# Altium PCB Switchboard V1.PcbDoc (part 1 of 2)
Units mil, origin at the board's own origin, x right, y up, seen from the top; angles counter-clockwise.
Board outline 3858.27 x 4800.09 mil, 2 copper layers (Top Layer, Bottom Layer), stack 62.8 mil thick; 100 components, 91 nets, 549 pads, 175 vias.
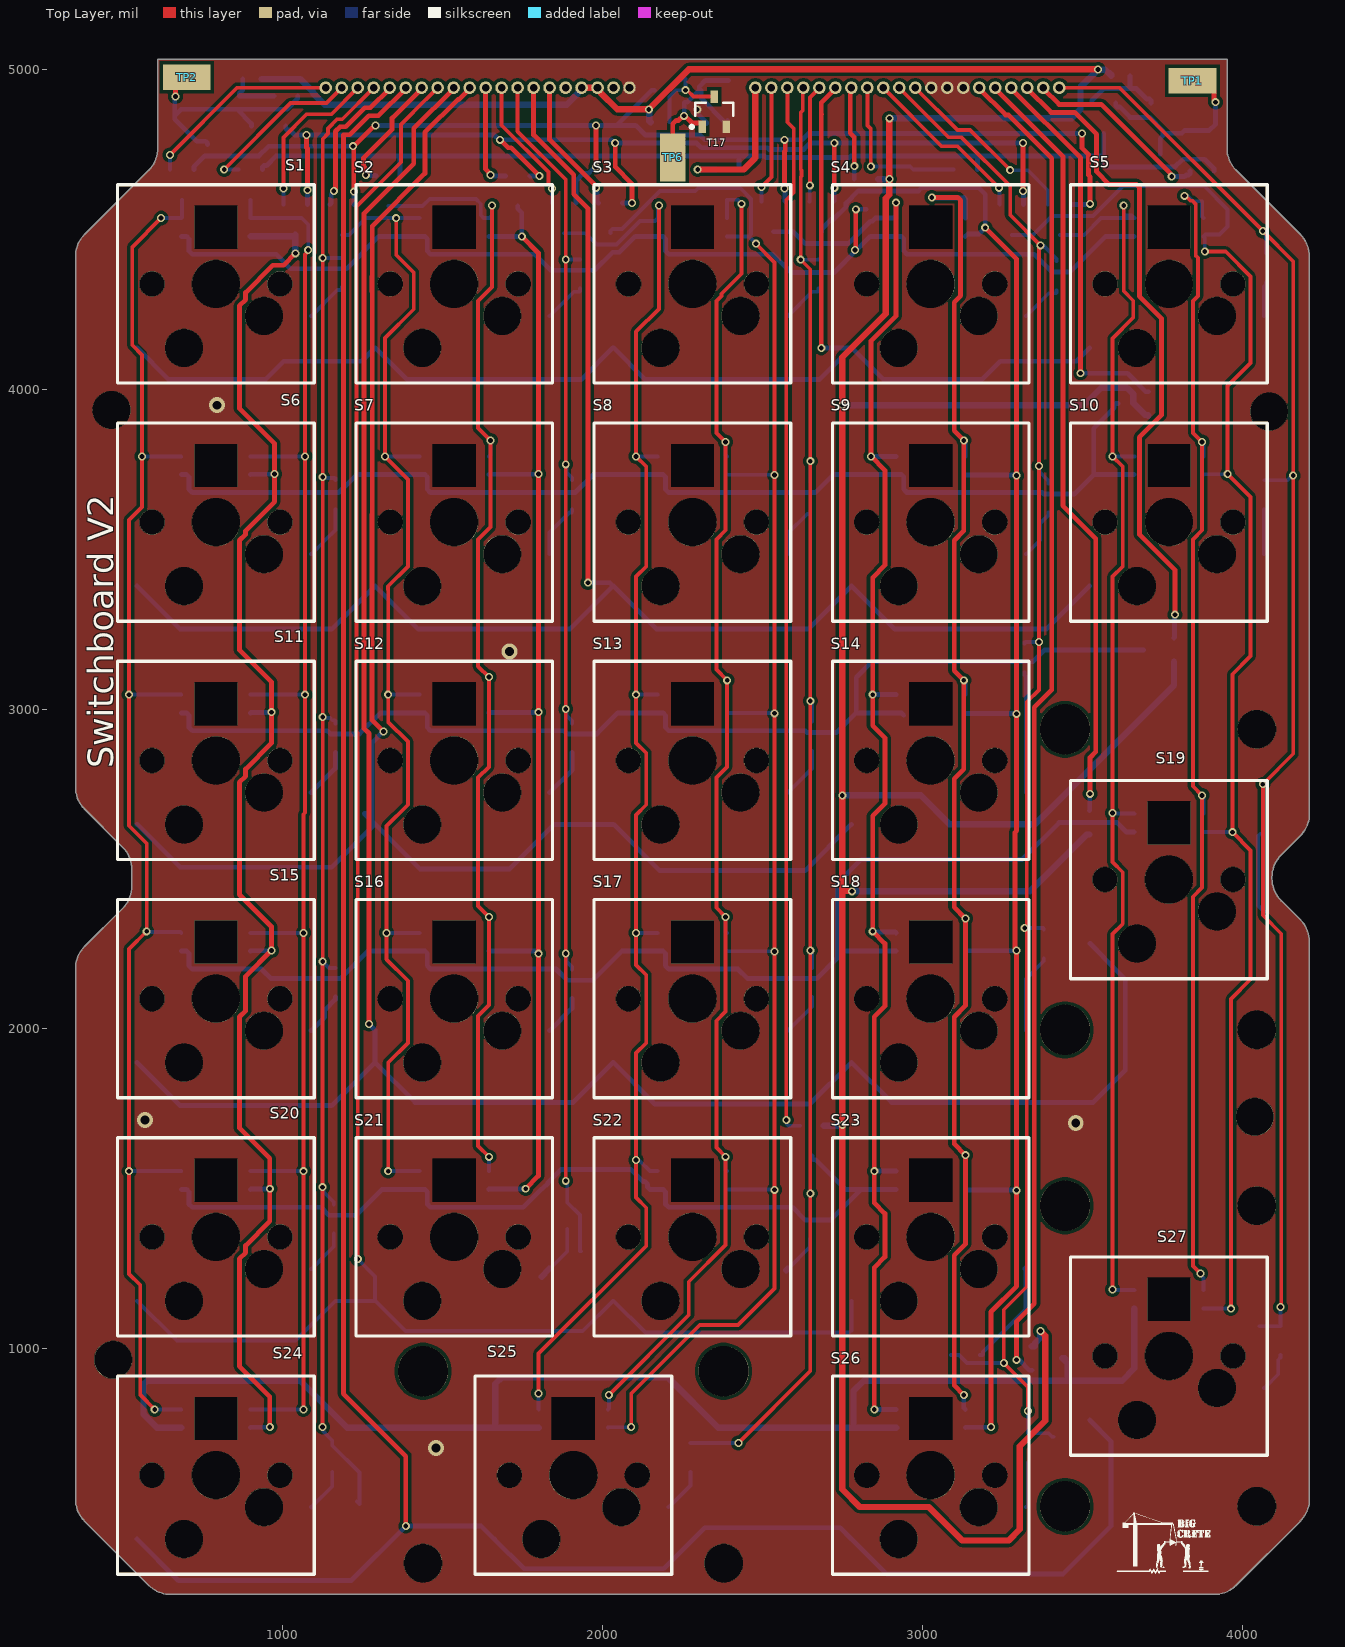
[diagram p0: Top Layer view]
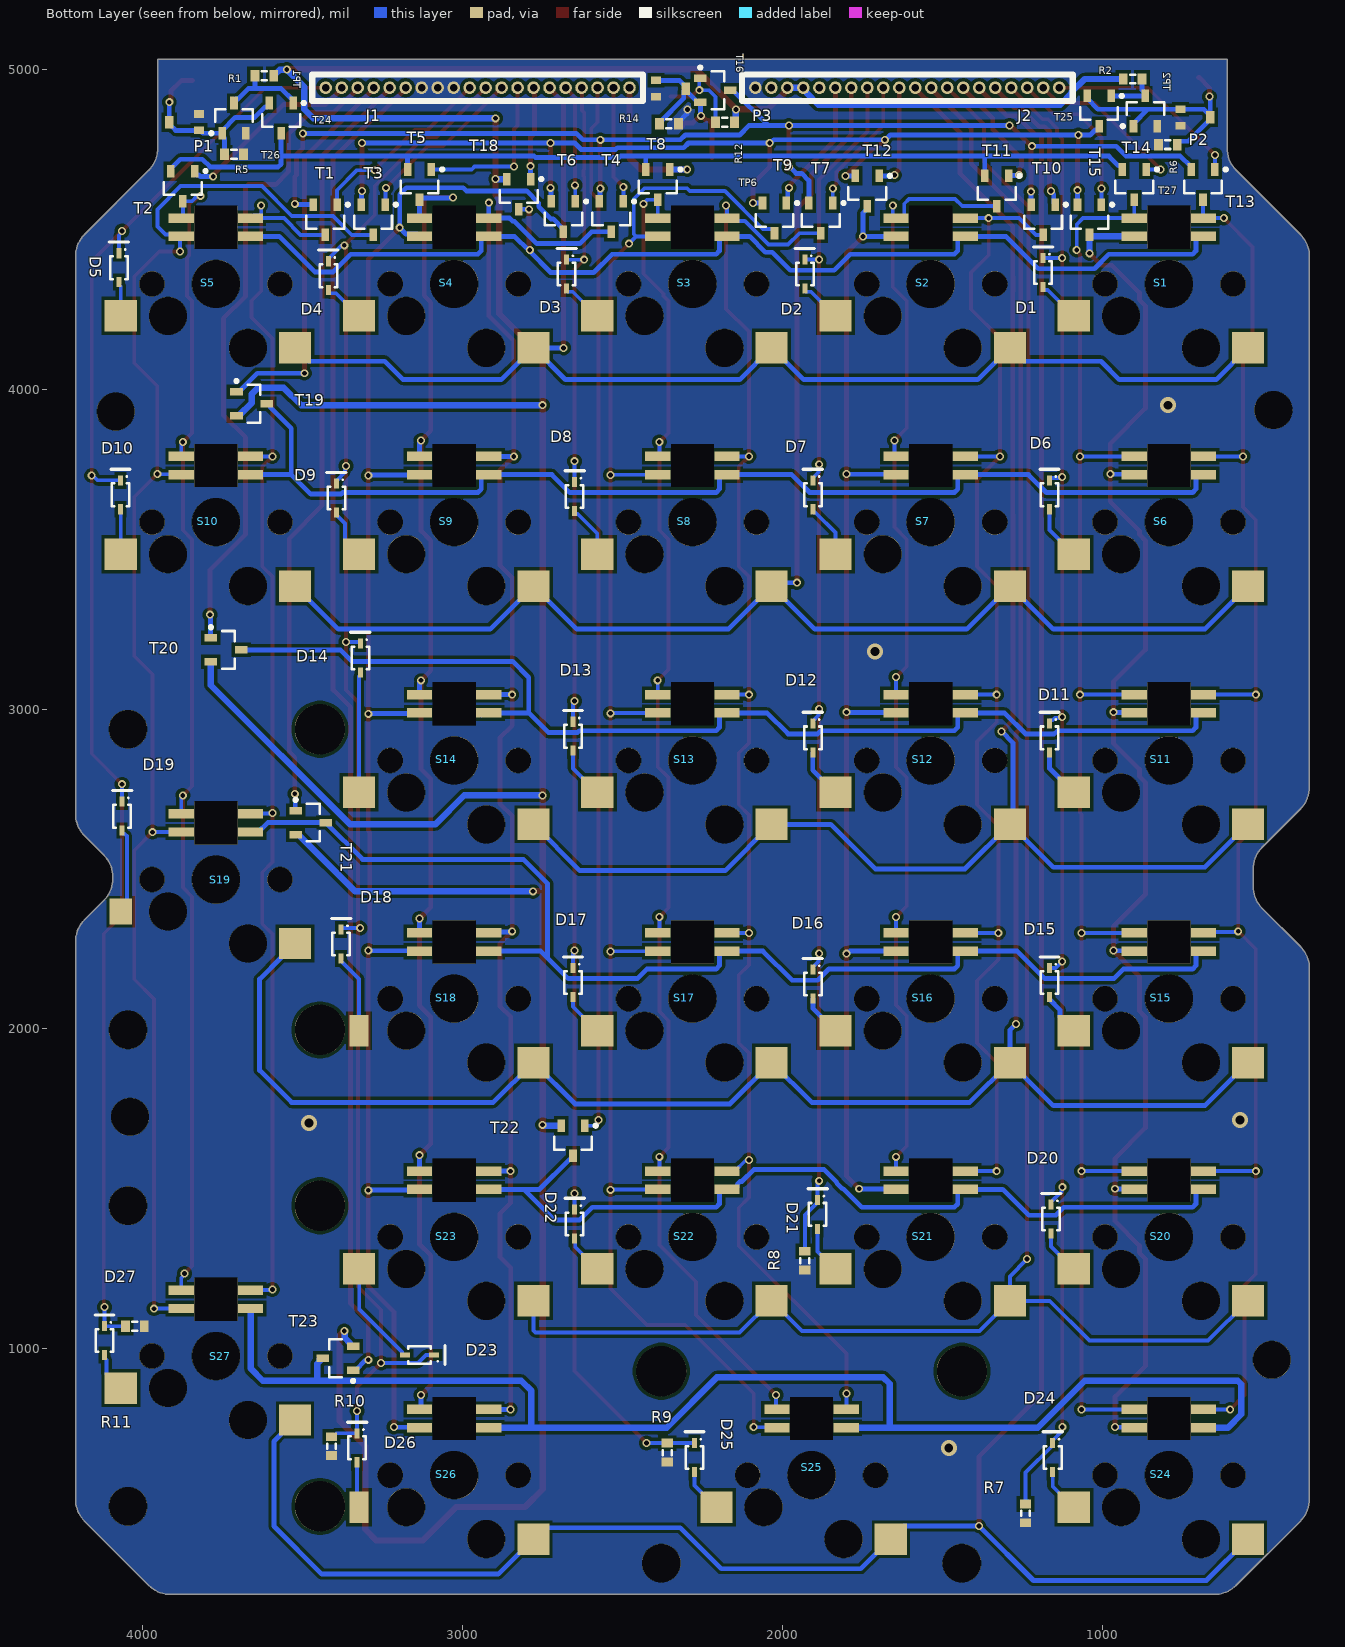
[diagram p1: Bottom Layer view, seen from below]
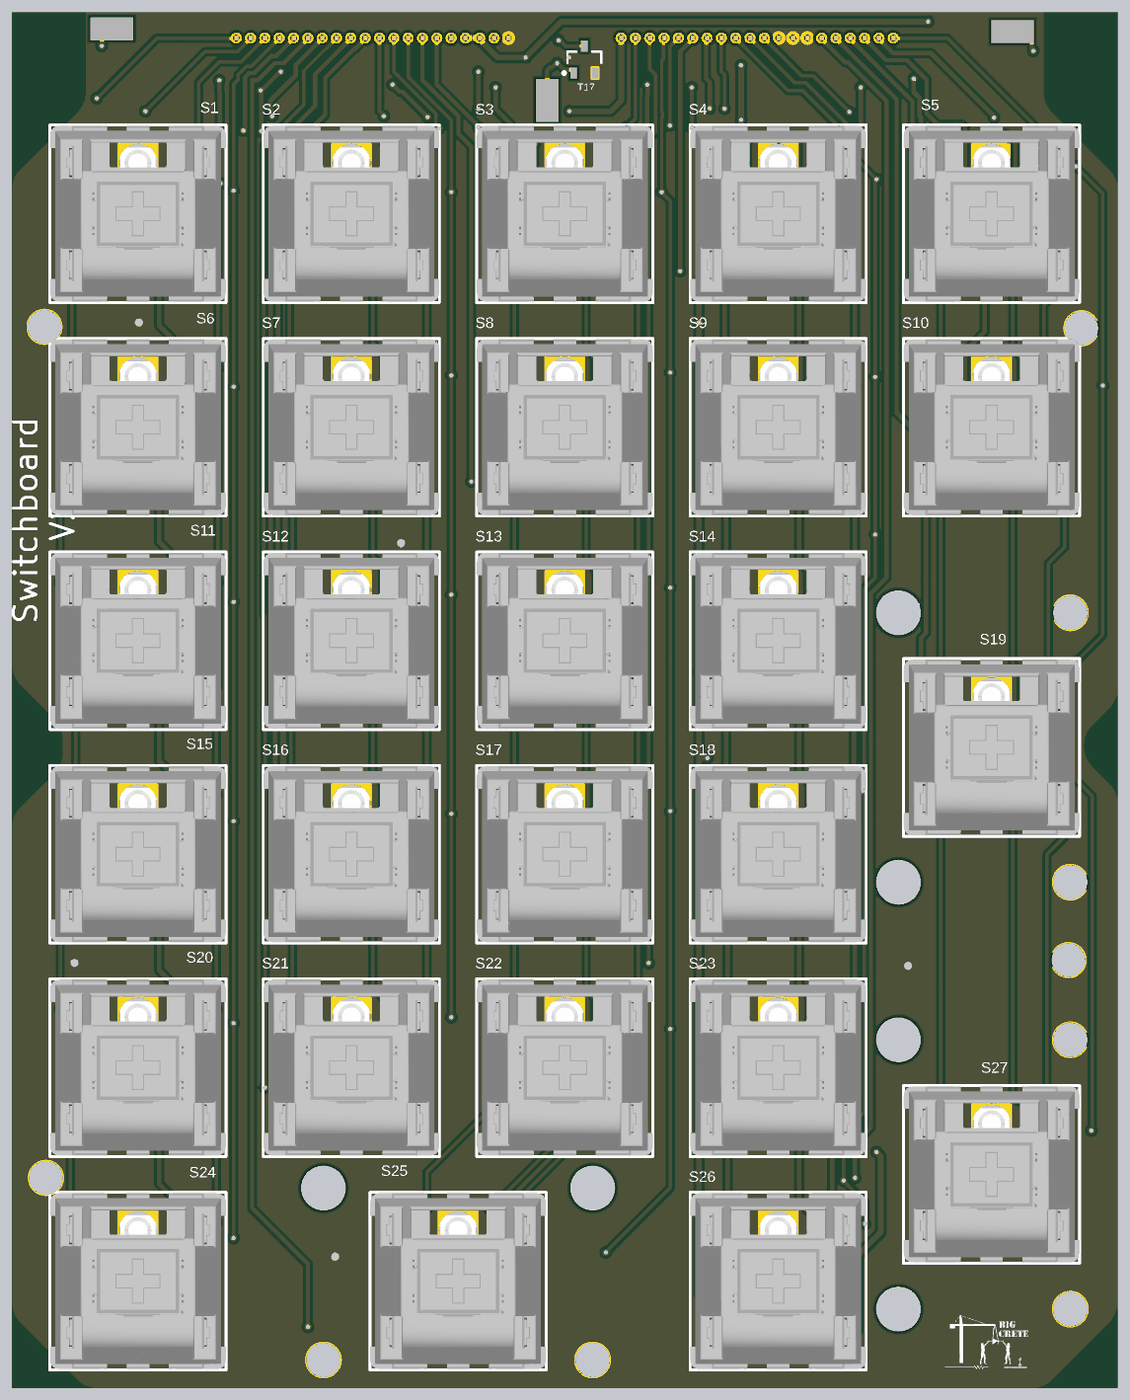
[diagram p3: 3D render of the assembled board from above, using the file's embedded part models]

## Layer stack, top to bottom
Top Solder: solder mask 1, Solder Resist, Dk 3.5
Top Layer: signal copper 1.4
Dielectric 1: dielectric 60, FR-4, Dk 4.8
Bottom Layer: signal copper 1.4
Bottom Solder: solder mask 1, Solder Resist, Dk 3.5

## Board outline
352.33,529.57 352.33,2188.67 cw(c450.76,2188.67) 381.16,2258.27 499.54,2376.65 ccw(c429.95,2446.24) 528.37,2446.24 528.37,2498.43 ccw(c429.95,2498.43) 499.54,2568.02 381.16,2686.4 cw(c450.76,2756) 352.33,2756 352.33,4415.1 cw(c450.76,4415.1) 381.16,4484.7 581.02,4684.56 ccw(c511.43,4754.15) 609.85,4754.15 609.85,5031.38 3953.09,5031.38 3953.09,4754.15 ccw(c4051.51,4754.15) 3981.91,4684.56 4181.77,4484.7 cw(c4112.18,4415.1) 4210.6,4415.1 4210.6,2672.48 cw(c4112.18,2672.48) 4181.77,2602.89 4122.45,2543.56 ccw(c4192.05,2473.97) 4093.62,2473.97 4093.62,2470.7 ccw(c4192.05,2470.7) 4122.45,2401.11 4181.77,2341.78 cw(c4112.18,2272.18) 4210.6,2272.18 4210.6,529.57 cw(c4112.18,529.57) 4181.77,459.97 3981.91,260.11 cw(c3912.32,329.71) 3912.32,231.28 650.62,231.28 cw(c650.62,329.71) 581.02,260.11 381.16,459.97 cw(c450.76,529.57)

## Design rules (kind name [scope] priority, off if disabled: settings)
Clearance [All] p1: gap=10 ignorepadtopadclearanceinfootprint=TRUE except(0: Arc-Hole Track-Hole SMDPad-Hole THPad-Hole Via-Hole Fill-Hole Poly-Hole Region-Hole Text-Hole)
HoleSize [All] p1: absolutevalues=TRUE maxlimit=1000 minlimit=1 maxpercent=80.000 minpercent=20.000
PlaneConnect [All] p1: planeconnectstyle=Direct reliefexpansion=20 reliefentries=4 reliefconductorwidth=10 reliefairgap=10
PolygonConnect [All] p1: connectstyle=Direct reliefconductorwidth=10 reliefentries=4 polygonreliefangle="90 Angle" airgapwidth=10
RoutingVias [All] p1: holewidth=15 width=25 viastyle="Through Hole" minholewidth=10 minwidth=20 maxholewidth=30 maxwidth=50
SolderMaskExpansion [All] p1: expansion=4 istentingtop=FALSE
Width [All] p1: maxlimit=100 minlimit=6 preferedwidth=10
28 further rules are at their usual default settings.

## Classes and differential pairs
net class "LED Red Ca[4..0]": "LED Red Ca0" "LED Red Ca1" "LED Red Ca2" "LED Red Ca3" "LED Red Ca4"
net class "LED Green Ca[4..0]": "LED Green Ca0" "LED Green Ca1" "LED Green Ca2" "LED Green Ca3" "LED Green Ca4"
net class "LED Blue Ca[4..0]": "LED Blue Ca0" "LED Blue Ca1" "LED Blue Ca2" "LED Blue Ca3" "LED Blue Ca4"
net class SWL[4..0]: SWL0 SWL1 SWL2 SWL3 SWL4
net class SWH[5..0]: SWH0 SWH1 SWH2 SWH3 SWH4 SWH5
net class LS[14..0]: LS0 LS1 LS2 LS3 LS4 LS5 LS6 LS7 LS8 LS9 LS10 LS11 LS12 LS13 LS14
net class "LED An[5..0]": "LED An0" "LED An1" "LED An2" "LED An3" "LED An4" "LED An5"
net class HS[5..0]: HS0 HS1 HS2 HS3 HS4 HS5
component class Connectors: J1 J2

## Components (designator, comment, footprint, x,y, rotation, side; value= is the part's Value field where it differs from the comment)
D1 "C2128 Diode" "C2128 SOD323" 1185,4365 r270 bottom
D2 "C2128 Diode" "C2128 SOD323" 1930,4360 r270 bottom
D3 "C2128 Diode" "C2128 SOD323" 2675,4360 r270 bottom
D4 "C2128 Diode" "C2128 SOD323" 3420,4355 r270 bottom
D5 "C2128 Diode" "C2128 SOD323" 4075,4380 r270 bottom
D6 "C2128 Diode" "C2128 SOD323" 1165,3670 r270 bottom
D7 "C2128 Diode" "C2128 SOD323" 1905,3670 r270 bottom
D8 "C2128 Diode" "C2128 SOD323" 2650,3665 r270 bottom
D9 "C2128 Diode" "C2128 SOD323" 3395,3660 r270 bottom
D10 "C2128 Diode" "C2128 SOD323" 4070,3670 r270 bottom
D11 "C2128 Diode" "C2128 SOD323" 1165,2910 r270 bottom
D12 "C2128 Diode" "C2128 SOD323" 1905,2910 r270 bottom
D13 "C2128 Diode" "C2128 SOD323" 2655,2915 r270 bottom
D14 "C2128 Diode" "C2128 SOD323" 3320,3160 r270 bottom
D15 "C2128 Diode" "C2128 SOD323" 1165,2145 r270 bottom
D16 "C2128 Diode" "C2128 SOD323" 1905,2140 r270 bottom
D17 "C2128 Diode" "C2128 SOD323" 2655,2145 r270 bottom
D18 "C2128 Diode" "C2128 SOD323" 3380,2265 r270 bottom
D19 "C2128 Diode" "C2128 SOD323" 4065,2665 r270 bottom
D20 "C2128 Diode" "C2128 SOD323" 1160,1405 r270 bottom
D21 "C2128 Diode" "C2128 SOD323" 1890,1420 r270 bottom
D22 "C2128 Diode" "C2128 SOD323" 2650,1390 r270 bottom
D23 "C2128 Diode" "C2128 SOD323" 3135,980 r0 bottom
D24 "C2128 Diode" "C2128 SOD323" 1155,660 r270 bottom
D25 "C2128 Diode" "C2128 SOD323" 2275,660 r270 bottom
D26 "C2128 Diode" "C2128 SOD323" 3330,690 r270 bottom
D27 "C2128 Diode" "C2128 SOD323" 4120,1025 r270 bottom
J1 "20 pos header" "20 POS HEADER" 3428.32,4942.8 r90 bottom
J2 "20 pos header" "20 POS HEADER" 2084.62,4942.8 r90 bottom
P1 "TC42X-2-101E" TC42X-2-101E 3880,4835 r90 bottom
P2 "TC42X-2-101E" TC42X-2-101E 700,4850 r270 bottom
P3 "TC42X-2-101E" TC42X-2-101E 2340,4940 r270 bottom
R1 "Res3" J1-0603 3620,4980 r180 bottom value=1K
R2 "Res3" J1-0603 905,4970 r0 bottom value=1K
R5 "Res3" J1-0603 3715,4735 r0 bottom value="3 ohm"
R6 "Res3" J1-0603 795,4765 r180 bottom value="3 ohm"
R7 "Res3" J1-0603 1240,485 r270 bottom value=1K
R8 "Res3" J1-0603 1930,1275 r270 bottom value=1K
R9 "Res3" J1-0603 2360,675 r270 bottom value=1K
R10 "Res3" J1-0603 3410,695 r270 bottom value=1K
R11 "Res3" J1-0603 4025,1070 r180 bottom value=1K
R12 "Res3" J1-0603 2180,4835 r180 bottom value=1K
R14 "Res3" J1-0603 2355,4830 r0 bottom value="8 ohm"
S1 "Kalih hotswap w/ RGB" "KALIH HOTSWAP SMD"#1 791.47,4329.38 r0 top locked
S2 "Kalih hotswap w/ RGB" "KALIH HOTSWAP SMD"#1 1536.47,4329.38 r0 top locked
S3 "Kalih hotswap w/ RGB" "KALIH HOTSWAP SMD"#1 2281.47,4329.38 r0 top locked
S4 "Kalih hotswap w/ RGB" "KALIH HOTSWAP SMD"#1 3026.47,4329.38 r0 top locked
S5 "Kalih hotswap w/ RGB" "KALIH HOTSWAP SMD"#1 3771.47,4329.38 r0 top locked
S6 "Kalih hotswap w/ RGB" "KALIH HOTSWAP SMD"#1 791.47,3584.38 r0 top locked
S7 "Kalih hotswap w/ RGB" "KALIH HOTSWAP SMD"#1 1536.47,3584.38 r0 top locked
S8 "Kalih hotswap w/ RGB" "KALIH HOTSWAP SMD"#1 2281.47,3584.38 r0 top locked
S9 "Kalih hotswap w/ RGB" "KALIH HOTSWAP SMD"#1 3026.47,3584.38 r0 top locked
S10 "Kalih hotswap w/ RGB" "KALIH HOTSWAP SMD"#1 3771.47,3584.38 r0 top locked
S11 "Kalih hotswap w/ RGB" "KALIH HOTSWAP SMD"#1 791.47,2839.38 r0 top locked
S12 "Kalih hotswap w/ RGB" "KALIH HOTSWAP SMD"#1 1536.47,2839.38 r0 top locked
S13 "Kalih hotswap w/ RGB" "KALIH HOTSWAP SMD"#1 2281.47,2839.38 r0 top locked
S14 "Kalih hotswap w/ RGB" "KALIH HOTSWAP SMD"#1 3026.47,2839.38 r0 top locked
S15 "Kalih hotswap w/ RGB" "KALIH HOTSWAP SMD"#1 791.47,2094.38 r0 top locked
S16 "Kalih hotswap w/ RGB" "KALIH HOTSWAP SMD"#1 1536.47,2094.38 r0 top locked
S17 "Kalih hotswap w/ RGB" "KALIH HOTSWAP SMD"#1 2281.47,2094.38 r0 top locked
S18 "Kalih hotswap w/ RGB" "KALIH HOTSWAP SMD"#2 3026.47,2094.38 r0 top locked
S19 "Kalih hotswap w/ RGB" "KALIH HOTSWAP SMD STABILIZER V"#1 3771.47,2466.88 r0 top locked
S20 "Kalih hotswap w/ RGB" "KALIH HOTSWAP SMD"#1 791.47,1349.38 r0 top locked
S21 "Kalih hotswap w/ RGB" "KALIH HOTSWAP SMD"#1 1536.47,1349.38 r0 top locked
S22 "Kalih hotswap w/ RGB" "KALIH HOTSWAP SMD"#1 2281.47,1349.38 r0 top locked
S23 "Kalih hotswap w/ RGB" "KALIH HOTSWAP SMD"#1 3026.47,1349.38 r0 top locked
S24 "Kalih hotswap w/ RGB" "KALIH HOTSWAP SMD"#1 791.47,604.38 r0 top locked
S25 "Kalih hotswap w/ RGB" "KALIH HOTSWAP SMD STABILIZER H" 1908.97,604.38 r0 top locked
S26 "Kalih hotswap w/ RGB" "KALIH HOTSWAP SMD"#2 3026.47,604.38 r0 top locked
S27 "Kalih hotswap w/ RGB" "KALIH HOTSWAP SMD STABILIZER V"#2 3771.47,976.88 r0 top locked
T1 "C344010 NCH MOS" "C6749 NPN BJT" 3430,4530 r270 bottom
T2 "C344010 NCH MOS" "C6749 NPN BJT" 3875,4635 r270 bottom
T3 "C344010 NCH MOS" "C6749 NPN BJT" 3280,4530 r270 bottom
T4 "C344010 NCH MOS" "C6749 NPN BJT" 2535,4540 r270 bottom
T5 "C344010 NCH MOS" "C6749 NPN BJT" 3135,4640 r270 bottom
T6 "C344010 NCH MOS" "C6749 NPN BJT" 2685,4540 r270 bottom
T7 "C344010 NCH MOS" "C6749 NPN BJT" 1880,4535 r270 bottom
T8 "C344010 NCH MOS" "C6749 NPN BJT" 2390,4640 r270 bottom
T9 "C344010 NCH MOS" "C6749 NPN BJT" 2025,4535 r270 bottom
T10 "C344010 NCH MOS" "C6749 NPN BJT" 1185,4530 r270 bottom
T11 "C344010 NCH MOS" "C6749 NPN BJT" 1330,4620 r270 bottom
T12 "C344010 NCH MOS" "C6749 NPN BJT" 1735,4620 r270 bottom
T13 "C344010 NCH MOS" "C6749 NPN BJT" 685,4640 r270 bottom
T14 "C344010 NCH MOS" "C6749 NPN BJT" 900,4640 r270 bottom
T15 "C344010 NCH MOS" "C6749 NPN BJT" 1040,4530 r270 bottom
T16 "C6749 NPN BJT" "C6749 NPN BJT" 2210,4935 r180 bottom
T17 "C6749 NPN BJT" "C6749 NPN BJT" 2350,4867.76 r90 top
T18 "C15127 PCH MOS" "C6749 NPN BJT" 2825,4610 r270 bottom
T19 "C15127 PCH MOS" "C6749 NPN BJT" 3660,3955 r180 bottom
T20 "C15127 PCH MOS" "C6749 NPN BJT" 3740,3185 r180 bottom
T21 "C15127 PCH MOS" "C6749 NPN BJT" 3475,2645 r180 bottom
T22 "C15127 PCH MOS" "C6749 NPN BJT" 2655,1650 r270 bottom
T23 "C15127 PCH MOS" "C6749 NPN BJT" 3390,970 r0 bottom
T24 "C6749 NPN BJT" "C6749 NPN BJT" 3567.6,4847.76 r270 bottom
T25 "C6749 NPN BJT" "C6749 NPN BJT" 1010,4870 r270 bottom
T26 "C6749 NPN BJT" "C6749 NPN BJT" 3715,4847.76 r90 bottom
T27 "C6749 NPN BJT" "C6749 NPN BJT" 865,4870 r90 bottom
TP1 "5019" KSTN-5019_V 3845,4965 r0 top
TP2 "5019" KSTN-5019_V 700,4975 r0 top
TP6 "5019" KSTN-5019_V 2220,4725 r270 top

## Footprints (in the part's own frame and the unit in brackets; to place one, negate y for a bottom-side part, rotate by r counter-clockwise, add the part's x,y. Pads: shape width x height; smd on the part's side, far side on the other; paste and mask are expansions set on the pad)
"20 POS HEADER" [mm] "50mil pitch single row"
  round 1 hole 0.6: 1(0,0) 2(0,-1.27) 3(0,-2.54) 4(0,-3.81) 5(0,-5.08) 6(0,-6.35) 7(0,-7.62) 8(0,-8.89) 9(0,-10.16) 10(0,-11.43) 11(0,-12.7) 12(0,-13.97) 13(0,-15.24) 14(0,-16.51) 15(0,-17.78) 16(0,-19.05) 17(0,-20.32) 18(0,-21.59) 19(0,-22.86) 20(0,-24.13)
  silkscreen extent -1.05,-25.19 1.05,1.06, body extent -1.05,-24.75 1.05,0.65, height 3.3
"C2128 SOD323" [mm] "SODFL, 2-Leads, Body 1.30x2.50mm, IPC Medium Density"
  rect 0.8x0.4 smd: 1(1.15,0) 2(-1.15,0)
  silkscreen extent -2.03,-0.76 0.9,0.76, body extent -0.9,-0.7 0.9,0.7, height 1.1
"C6749 NPN BJT" [mm] "SOT23, 3-Leads, Body 2.90x2.45mm, Pitch 0.95mm, IPC Medium Density"
  rect 1x0.6 smd: 1(-1.2,0.95) 2(-1.2,-0.95) 3(1.2,0)
  silkscreen extent -1.32,-1.5 0.7,1.92, body extent -0.7,-1.5 0.7,1.5, height 1.1
J1-0603 [mm] "Chip Resistor, Body 1.6x0.8mm, IPC High Density"
  rect 0.7x0.9 smd: 1(-0.75,0) 2(0.75,0)
  silkscreen extent -0.2,-0.35 0.2,0.35, body extent -0.85,-0.48 0.85,0.48, height 0.9
"KALIH HOTSWAP SMD"#1 [mm]
  rect 2x0.75 smd far side: B(-2.75,5.225) G(2.75,5.225) R(2.75,3.775) Vdd(-2.75,3.775)
  rect 2.55x2.5 smd far side: SW1(-6.29,-5.08) SW2(7.56,-2.54)
  round 2 hole 2: ""(-5.08,0) ""(5.08,0)
  round 3 hole 3 unplated: ""(-2.54,-5.08) ""(3.81,-2.54)
  round 3.81 hole 3.81: ""(0,0)
  rect 3.4x3.4 hole 3.4 square unplated: ""(0,4.5)
  silkscreen extent -7.81,-7.87 7.81,7.87, body extent -7.79,-7.79 7.9,7.81, height 15.44
"KALIH HOTSWAP SMD"#2 [mm]
  rect 2x0.75 smd far side: B(-2.75,5.225) G(2.75,5.225) R(2.75,3.775) Vdd(-2.75,3.775)
  rect 2.55x2.5 smd far side: SW1(-6.29,-5.08)
  rect 1.524x2.5 smd far side: SW2(7.56,-2.54)
  round 2 hole 2: ""(-5.08,0) ""(5.08,0)
  round 3 hole 3 unplated: ""(-2.54,-5.08) ""(3.81,-2.54)
  round 3.81 hole 3.81: ""(0,0)
  rect 3.4x3.4 hole 3.4 square unplated: ""(0,4.5)
  silkscreen extent -7.81,-7.87 7.81,7.87, body extent -7.79,-7.79 7.9,7.81, height 15.44
"KALIH HOTSWAP SMD STABILIZER H" [mm] "1x2 cherry screw in stabilizer"
  rect 2x0.75 smd far side: B(-2.75,5.225) G(2.75,5.225) R(2.75,3.775) Vdd(-2.75,3.775)
  rect 2.55x2.5 smd far side: SW1(-6.29,-5.08) SW2(7.56,-2.54)
  round 3.048 hole 3.048 unplated: ""(-11.938,-6.985) ""(11.938,-6.985)
  round 3.988 hole 3.988 unplated: ""(-11.938,8.255) ""(11.938,8.255)
  round 2 hole 2: ""(-5.08,0) ""(5.08,0)
  round 3 hole 3 unplated: ""(-2.54,-5.08) ""(3.81,-2.54)
  round 3.81 hole 3.81: ""(0,0)
  rect 3.4x3.4 hole 3.4 square unplated: ""(0,4.5)
  silkscreen extent -7.81,-7.87 7.81,7.87, body extent -7.79,-7.79 7.9,7.81, height 15.44
"KALIH HOTSWAP SMD STABILIZER V"#1 [mm] "1x2 cherry screw in stabilizer"
  rect 2x0.75 smd far side: B(-2.75,5.225) G(2.75,5.225) R(2.75,3.775) Vdd(-2.75,3.775)
  rect 2.55x2.5 smd far side: SW1(-6.29,-5.08)
  rect 1.778x2.032 smd far side: SW2(7.56,-2.54)
  round 3.988 hole 3.988 unplated: ""(-8.255,-11.938) ""(-8.255,11.938)
  round 2 hole 2: ""(-5.08,0) ""(5.08,0)
  round 3 hole 3 unplated: ""(-2.54,-5.08) ""(3.81,-2.54)
  round 3.81 hole 3.81: ""(0,0)
  rect 3.4x3.4 hole 3.4 square unplated: ""(0,4.5)
  round 3.048 hole 3.048 unplated: ""(6.985,-11.938) ""(6.985,11.938)
  silkscreen extent -7.81,-7.87 7.81,7.87, body extent -7.79,-7.79 7.9,7.81, height 15.44
"KALIH HOTSWAP SMD STABILIZER V"#2 [mm] "1x2 cherry screw in stabilizer"
  rect 2x0.75 smd far side: B(-2.75,5.225) G(2.75,5.225) R(2.75,3.775) Vdd(-2.75,3.775)
  rect 2.55x2.5 smd far side: SW1(-6.29,-5.08) SW2(7.56,-2.54)
  round 3.988 hole 3.988 unplated: ""(-8.255,-11.938) ""(-8.255,11.938)
  round 2 hole 2: ""(-5.08,0) ""(5.08,0)
  round 3 hole 3 unplated: ""(-2.54,-5.08) ""(3.81,-2.54)
  round 3.81 hole 3.81: ""(0,0)
  rect 3.4x3.4 hole 3.4 square unplated: ""(0,4.5)
  round 3.048 hole 3.048 unplated: ""(6.985,-11.938) ""(6.985,11.938)
  silkscreen extent -7.81,-7.87 7.81,7.87, body extent -7.79,-7.79 7.9,7.81, height 15.44
KSTN-5019_V [mm] "Test Point, 1-Leads, Body 3.81x2.03mm"
  rect 3.8x2.03 smd: 1(0,0)
  body extent -1.9,-1.01 1.9,1.02, height 2.29
TC42X-2-101E [mm] "Potentiometer low profile"
  rect 0.6x0.8 smd: 1(0.65,-1.4) 3(-0.65,-1.4)
  rect 1x0.7 smd: 2(0,0.95)
  body extent -1.1,-1.65 1.1,1.15, height 0.9

## Part data
P1 P2 P3: "low profile pot"
R1 R2 R5 R6 R7 R8 R9 R10 R11 R12 R14: "Resistor", LatestRevisionDate=29-May-2009, LatestRevisionNote="IPC-7351 Footprint Added.", PackageDescription="Chip Resistor", PackageReference=J1-0603, Published=8-Jun-2000, Publisher="Altium Limited"
S1 S2 S3 S4 S5 S6 S7 S8 S9 S10 S11 S12 S13 S14 S15 S16 S17 S18 S19 S20 S21 S22 S23 S24 S25 S26 S27: library part "Kalih hotswap smd"
TP1 TP2 TP6: library part CMP-1672-00008-1, "Test Point, 1 Position SMD, RoHS, Tape and Reel", Package Quantity=1000, ComponentLink1Description="Manufacturer URL", ComponentLink1URL=http://www.keyelco.com/, ComponentLink2Description=Datasheet, ComponentLink2URL=http://www.keyelco.com/product-pdf.cfm?p=1357, Contact Plating=Silver, DatasheetVersion=03/2014, Mount="Surface Mount", Mounting Technology="Surface Mount", PackageDescription="1-Pin Surface Mount Device, Body 3.81 x 2.03 mm", PackageReference=5019, Packaging="Tape and Reel", Pins=1, RoHSCompliant=True
J1 J2: System=Connector

## Free pads (board coordinates)
  round 118.11 hole 118.11 unplated: 17(465,3935) 17(470,965) 17(4040,1725) 17(4085,3930)

## Via types
v1: diameter 25, hole 15, Top Layer to Bottom Layer, tented both sides, 170 vias
v2: diameter 50, hole 28, Top Layer to Bottom Layer, tented both sides, 5 vias

## Nets (pads, with @x,y where several pads share a name; then routed paths per layer and width w, separated by ;. In a path a pad name is that pad's centre, name@x,y a point inside that pad or via, vN(x,y) a via of type N, cw(c..) or ccw(c..) an arc to the next point about the centre after c; other vN are vias at no path point)
GND: J1.7 J1.8 J1.9 J2.1 P1.1 P2.1 P3.1 R5.1 R6.1 R7.2 R8.2 R9.2 R10.2 R11.2 R14.1 T17.2 T26.2 T27.2 | length 56.9
  Bottom Layer w15: v1(2296.67,4875) 2298.59,4873.09 2298.59,4860.82 2325.47,4833.94 R14.1@2325.47,4830
  other v2: 1480,690 3480,1705 570,1715 1710,3180 795,3950
HS0: J1.14 T18.1 | length 292.1
  Top Layer w15: J1.14@2778.32,4942.8 2775,4939.48 2775,4801.11 2787.6,4788.51 v1(2787.6,4697.4)
  Bottom Layer w15: T18.1@2787.6,4657.24 v1(2787.6,4697.4)
HS1: J1.4 T19.1 | length 1218.6
  Top Layer w15: J1.4@3278.32,4942.8 3278.32,4940.21 3495,4723.53 v1(3495,4050)
  Bottom Layer w15: v1(3495,4050) 3641.77,4050 3699.37,3992.4 T19.1@3707.24,3992.4
HS2: J1.3 T20.1 | length 2063.2
  Top Layer w15: J1.3@3328.32,4942.8 3328.32,4940.21 3403.04,4865.48 3476.94,4865.48 3545,4797.43 3545,4680 3585,4640 3670.18,4640 3678.97,4631.21 3678.97,4291.07 3748.02,4222.01 3748.02,3918.57 3678.97,3849.51 3678.97,3546.07 3790,3435.04 v1(3790,3295)
  Bottom Layer w15: T20.1@3787.24,3222.4 3788.62,3223.78 3788.62,3293.62 v1(3790,3295)
HS3: J1.5 T21.1 | length 2398.9
  Top Layer w15: J1.5@3228.32,4942.8 3228.32,4940.21 3440,4728.53 3440,3635.42 3542.47,3532.95 3542.47,2865.91 3525,2848.44 v1(3525,2735)
  Bottom Layer w15: T21.1@3522.24,2682.4 3523.62,2683.78 3523.62,2733.62 v1(3525,2735)
HS4: J1.18 T22.1 | length 3301.7
  Top Layer w12: v1(2575,1715) 2575,4592.6 2598,4615.6 2598,4815 2578.32,4834.68 J1.18@2578.32,4942.8
  Bottom Layer w12: v1(2575,1715) 2577.49,1712.51 2577.49,1701.79 2582.03,1697.24 T22.1@2617.6,1697.24
HS5: J1.6 T23.1 | length 4183.6
  Top Layer w15: J1.6@3178.32,4942.8 3178.32,4940.21 3260.54,4857.98 3269.44,4857.98 3405,4722.43 3405,3060 3350.46,3005.46 3350.46,1140.46 3295,1085 v1(3295,965)
  Bottom Layer w15: v1(3295,965) 3296.91,963.09 3304.39,963.09 3334.88,932.6 T23.1@3342.76,932.6
"LED An0": S1.Vdd S2.Vdd S3.Vdd S4.Vdd S5.Vdd T18.3 | length 3588.3
  Top Layer w15: v1(2790,4435) 2792.24,4437.24 v1(2792.24,4562.76)
  Bottom Layer w15: S1.Vdd@683.2,4478 699.78,4478 707.04,4470.74 707.04,4432.37 717.53,4421.88 979.39,4421.88 1024.25,4377.03 1200.12,4377.03 1301.1,4478 S2.Vdd@1428.2,4478 1444.78,4478 1452.04,4470.74 1452.04,4432.37 1462.29,4422.12 1787.88,4422.12 1837.97,4372.03 1975.12,4372.03 2031.66,4428.57 2053.17,4428.57 2102.61,4478 S3.Vdd@2173.2,4478 2189.78,4478 2197.04,4470.74 2197.04,4432.37 2207.29,4422.12 2532.88,4422.12 2590,4365 2725,4365 2792.5,4432.5 2838,4478 S4.Vdd@2918.2,4478 2934.78,4478 2942.04,4470.74 2942.04,4432.37 2952.29,4422.12 3349.79,4422.12 3404.88,4367.03 3462.62,4367.03 3573.59,4478 S5.Vdd@3663.2,4478 ; v1(2792.24,4562.76) T18.3@2825,4562.76
"LED An1": S6.Vdd S7.Vdd S8.Vdd S9.Vdd S10.Vdd T19.3 | length 3517.8
  Bottom Layer w15: S6.Vdd@683.2,3733 699.78,3733 707.04,3725.74 707.04,3687.37 717.29,3677.12 1175.21,3677.12 1231.1,3733 S7.Vdd@1428.2,3733 1444.78,3733 1452.04,3725.74 1452.04,3687.37 1462.29,3677.12 1915.21,3677.12 1971.1,3733 S8.Vdd@2173.2,3733 2189.78,3733 2197.04,3725.74 2197.04,3687.37 2207.38,3677.03 2665.12,3677.03 2721.1,3733 S9.Vdd@2918.2,3733 2934.78,3733 2942.04,3725.74 2942.04,3687.37 2952.29,3677.12 3374.79,3677.12 3379.88,3672.03 3475.12,3672.03 3536.09,3733 ; T19.3@3612.76,3955 3604.88,3955 3600.57,3950.69 3600.57,3942.81 3536.09,3878.34 3536.09,3733 ; S10.Vdd@3663.2,3733 3536.09,3733
"LED An2": S11.Vdd S12.Vdd S13.Vdd S14.Vdd T20.3 | length 3534.6
  Bottom Layer w15: S11.Vdd@683.2,2988 699.78,2988 707.04,2980.74 707.04,2942.37 717.29,2932.12 1139.79,2932.12 1149.88,2922.03 1240.12,2922.03 1306.09,2988 S12.Vdd@1428.2,2988 1444.78,2988 1452.04,2980.74 1452.04,2942.37 1462.29,2932.12 1879.79,2932.12 1889.88,2922.03 1982.62,2922.03 2048.59,2988 S13.Vdd@2173.2,2988 2189.78,2988 2197.04,2980.74 2197.04,2942.37 2207.29,2932.12 2634.79,2932.12 2639.88,2927.03 2732.62,2927.03 2793.59,2988 ; S14.Vdd@2942.04,2980.74 2934.78,2988 S14.Vdd@2918.2,2988 2793.59,2988 ; T20.3@3692.76,3185 3382.43,3185 3346.47,3149.05 2844.05,3149.05 2793.59,3098.59 2793.59,2988
"LED An3": S15.Vdd S16.Vdd S17.Vdd S18.Vdd S19.Vdd T21.3 | length 3772.5
  Bottom Layer w15: S15.Vdd@683.2,2243 699.78,2243 707.04,2235.74 707.04,2197.37 717.53,2186.88 933.9,2186.88 963.75,2157.03 1180.12,2157.03 1266.1,2243 S16.Vdd@1428.2,2243 1444.78,2243 1452.04,2235.74 1452.04,2197.37 1462.29,2187.12 1854.79,2187.12 1889.88,2152.03 1970.12,2152.03 2061.09,2243 S17.Vdd@2173.2,2243 2189.78,2243 2197.04,2235.74 2197.04,2197.37 2207.53,2186.88 2423.9,2186.88 2453.75,2157.03 2670.12,2157.03 2735,2221.9 ; S18.Vdd@2918.2,2243 2756.1,2243 2735,2221.9 ; S19.Vdd@3663.2,2615.5 3638.59,2615.5 3609.1,2645 T21.3@3427.76,2645 3312.76,2530 2810,2530 2735,2455 2735,2221.9
"LED An4": S20.Vdd S21.Vdd S22.Vdd S23.Vdd T22.3 | length 2754.8
  Bottom Layer w15: S20.Vdd@683.2,1498 699.78,1498 707.04,1490.74 707.04,1452.37 717.53,1441.88 1120.02,1441.88 1144.88,1417.03 1230.12,1417.03 1311.09,1498 S21.Vdd@1428.2,1498 1444.78,1498 1452.04,1490.74 1452.04,1452.37 1462.29,1442.12 1752.12,1442.12 1810,1500 1812.43,1500 1830,1517.57 1830,1520 1870,1560 2089.41,1560 2126.58,1522.83 2132.54,1522.83 2141.33,1514.04 2141.33,1505.27 2148.59,1498 2189.78,1498 2197.04,1490.74 2197.04,1452.37 2207.29,1442.12 2594.79,1442.12 2634.88,1402.03 2712.62,1402.03 2808.59,1498 ; T22.3@2655,1602.76 2655,1594.88 2659.31,1590.57 2667.19,1590.57 2759.75,1498 2808.59,1498 ; S23.Vdd@2918.2,1498 2808.59,1498
"LED An5": S24.Vdd S25.Vdd S26.Vdd S27.Vdd T23.3 | length 4285.5
  Bottom Layer w20: S24.Vdd@683.2,753 607,753 565,795 565,888.28 576.72,900 1055,900 1202,753 1665,753 ; S25.Vdd@1800.7,753 1665,753 ; S26.Vdd@2918.2,753 2785,753 ; T23.3@3437.24,970 3445.12,970 3446.93,968.19 3446.93,960.31 3455,952.24 3455,900 ; S27.Vdd@3663.2,1125.5 3663.2,938.2 3625,900 3455,900 ; 1665,753 1665,890 1685,910 2205,910 2362,753 2785,753 ; 2785,753 2785,868.28 2816.72,900 3455,900
"LED Blue Ca0": S1.B S6.B S11.B S15.B S20.B S24.B T13.3 | length 4634.8
  Top Layer w12: v1(600,810) 555,855 555,1198.24 520,1233.24 v1(520,1555) 520,2250 v1(575,2305) 575,2580 520,2635 v1(520,3045) 520,3591.22 560,3631.22 v1(560,3790) 560,4107.5 530,4137.5 530,4445 v1(620.09,4535.09)
  Bottom Layer w12: v1(520,1555) v1(520,1555) 683.16,1555.05 S20.B@683.2,1555.09 ; v1(520,3045) v1(520,3045) 683.16,3045.05 S11.B@683.2,3045.09 ; v1(560,3790) v1(560,3790) 683.16,3790.05 S6.B@683.2,3790.09 ; v1(575,2305) 577.45,2302.55 680.75,2302.55 S15.B@683.2,2300.09 ; v1(600,810) v1(600,810) 683.16,810.05 S24.B@683.2,810.09 ; v1(620.09,4535.09) S1.B@683.2,4535.09 685,4536.89 T13.3@685,4592.76
"LED Blue Ca1": S2.B S7.B S12.B S16.B S21.B T10.3 | length 3875
  Top Layer w12: 1329.97,3374.09 1329.97,3384.03 1391.84,3445.9 1391.84,3718.16 v1(1320,3790) 1320,4160 1410,4250 1410,4365 1355.12,4419.88 v1(1355.12,4534.93) ; v1(1330,1555) 1330,1894.06 1391.84,1955.9 1391.84,2150.55 1325,2217.38 v1(1325,2300) 1325,2634.06 1391.84,2700.9 1391.84,2898.05 1330,2959.88 v1(1330,3045) 1330,3374.06
  Bottom Layer w12: T10.3@1185,4482.76 1207.78,4482.78 1260.09,4535.09 v1@1354.96,4535.09 ; v1(1320,3790) v1(1320,3790) 1428.16,3790.05 S7.B@1428.2,3790.09 ; v1(1325,2300) v1(1325,2300) 1428.16,2300.05 S16.B@1428.2,2300.09 ; v1(1330,1555) v1(1330,1555) 1428.16,1555.05 S21.B@1428.2,1555.09 ; v1(1330,3045) v1(1330,3045) 1428.16,3045.05 S12.B@1428.2,3045.09 ; v1(1355.12,4534.93) v1@1354.96,4535.09 ; S2.B@1428.2,4535.09 v1@1354.96,4535.09
"LED Blue Ca2": S3.B S8.B S13.B S17.B S22.B S25.B T7.3 | length 4697.6
  Top Layer w12: v1(1800,860) 1800,984.35 2136.84,1321.19 2136.84,1440.55 2105,1472.38 v1(2105,1590) 2105,1924.06 2136.84,1955.9 2136.84,2168.05 2105,2199.88 v1(2105,2300) 2105,2669.06 2136.84,2700.9 2136.84,2862.32 2105,2894.16 v1(2105,3045) 2105,3414.06 2136.84,3445.9 2136.84,3758.16 v1(2105,3790) 2105,4180 2176.4,4251.4 v1(2176.4,4575)
  Bottom Layer w12: v1(1800,860) 1800,810.79 S25.B@1800.7,810.09 ; T7.3@1880,4487.76 1946.78,4487.76 1982.47,4452.07 2043.44,4452.07 2117.69,4526.33 2164.44,4526.33 S3.B@2173.2,4535.09 2173.2,4571.8 v1(2176.4,4575) ; v1(2105,1590) 2107.49,1587.51 2116.17,1587.51 2148.59,1555.09 S22.B@2173.2,1555.09 ; v1(2105,2300) v1(2105,2300) 2173.16,2300.05 S17.B@2173.2,2300.09 ; v1(2105,3045) v1(2105,3045) 2173.16,3045.05 S13.B@2173.2,3045.09 ; v1(2105,3790) v1(2105,3790) 2173.16,3790.05 S8.B@2173.2,3790.09
"LED Blue Ca3": S4.B S9.B S14.B S18.B S23.B S26.B T4.3 | length 4771.5
  Top Layer w15: v1(2850,810) 2849.91,810.09 2849.91,1253.32 2883.34,1286.74 2883.34,1422.39 2850,1455.73 v1(2850,1555) 2849.91,1555.09 2849.91,2037.4 2883.34,2070.83 2883.34,2266.66 v1(2845,2305) 2845,2666.18 2883.34,2704.52 2883.34,2909.89 2845,2948.23 v1(2845,3045) 2845,3411.18 2883.34,3449.52 2883.34,3746.66 v1(2840,3790) 2840,4151.18 2918.2,4229.38 v1(2918.2,4583.2)
  Bottom Layer w15: T4.3@2535,4492.76 2597,4492.76 2634.19,4455.57 2768.14,4455.57 2838.14,4525.57 2844.06,4525.57 2853.58,4535.09 S4.B@2918.2,4535.09 v1(2918.2,4583.2) ; v1(2840,3790) v1(2840,3790) 2918.16,3790.05 S9.B@2918.2,3790.09 ; v1(2845,2305) 2846.91,2303.09 2915.2,2303.09 S18.B@2918.2,2300.09 ; v1(2845,3045) v1(2845,3045) 2918.16,3045.05 S14.B@2918.2,3045.09 ; v1(2850,810) v1(2850,810) 2918.16,810.05 S26.B@2918.2,810.09 ; v1(2850,1555) v1(2850,1555) 2918.16,1555.05 S23.B@2918.2,1555.09
"LED Blue Ca4": S5.B S10.B S19.B S27.B T1.3 | length 4011.6
  Top Layer w12: v1(3595,1185) 3595,2296.56 3626.84,2328.4 3626.84,2489.82 3595,2521.66 v1(3595,2675) 3595,3414.06 3626.84,3445.9 3626.84,3758.16 v1(3595,3790) 3595,4159.06 3660,4224.06 3660,4276.8 3630,4306.8 v1(3630,4575)
  Bottom Layer w12: T1.3@3430,4482.76 3506.65,4482.76 3558.99,4535.09 3657.41,4535.09 S5.B@3663.2,4535.09 3654.44,4543.85 3630,4543.85 v1(3630,4575) ; v1(3595,1185) 3596.2,1183.8 3662,1183.8 S27.B@3663.2,1182.59 ; v1(3595,2675) 3596.2,2673.8 3662,2673.8 S19.B@3663.2,2672.59 ; v1(3595,3790) v1(3595,3790) 3663.16,3790.05 S10.B@3663.2,3790.09
"LED Green Ca0": S1.G S6.G S11.G S15.G S20.G S24.G T14.3 | length 4794.1
  Top Layer w12: v1(1065,810) v1(1065,1555) 1065,2671.24 1070,2676.24 v1(1070,3045) v1(1070,3790) 1070,4421.48 1080,4431.48 v1(1080,4435)
  Bottom Layer w12: S24.G@899.74,810.09 899.78,810.05 v1(1065,810) v1(1065,810) ; S20.G@899.74,1555.09 899.78,1555.05 v1(1065,1555) v1(1065,1555) ; S15.G@899.74,2300.09 899.78,2300.05 v1(1065,2300) v1(1065,2300) ; S11.G@899.74,3045.09 899.78,3045.05 v1(1070,3045) v1(1070,3045) ; S6.G@899.74,3790.09 899.78,3790.05 v1(1070,3790) v1(1070,3790) ; T14.3@900,4592.76 900,4535.35 S1.G@899.74,4535.09 1059.91,4535.09 1080,4515 v1(1080,4435)
"LED Green Ca1": S2.G S7.G S12.G S16.G S21.G T11.3 | length 3711.8
  Top Layer w12: v1(1645,1600) 1611.41,1633.59 1611.41,2040.63 1645,2074.22 v1(1645,2350) 1611.41,2383.59 1611.41,2785.63 1645,2819.22 v1(1645,3100) 1611.41,3133.59 1611.41,3530.63 1650,3569.22 v1(1650,3840) 1611.41,3878.59 1611.41,4275.63 1655,4319.22 v1(1655,4575)
  Bottom Layer w12: T11.3@1330,4572.76 1437.76,4572.76 1460,4595 1604.5,4595 1619.4,4580.1 1619.4,4543.85 1628.16,4535.09 1646.24,4535.09 1655,4543.85 v1(1655,4575) ; S21.G@1644.74,1555.09 1645,1555.35 v1(1645,1600) ; S16.G@1644.74,2300.09 1645,2300.35 v1(1645,2350) ; S12.G@1644.74,3045.09 1645,3045.35 v1(1645,3100) ; S7.G@1644.74,3790.09 1650,3795.35 v1(1650,3840)
"LED Green Ca2": S3.G S8.G S13.G S17.G S22.G S25.G T8.3 | length 4340.5
  Top Layer w12: v1(2020,855) 2270,1105 2270,1209.22 2385,1324.22 v1(2385,1600) 2356.41,1628.59 2356.41,2025.47 2385,2054.06 v1(2385,2350) 2356.41,2378.59 2356.41,2785.63 2390,2819.22 v1(2390,3090) 2356.41,3123.59 2356.41,3530.63 2385,3559.22 v1(2385,3835) 2356.41,3863.59 2356.41,4275.63 2372.47,4291.69 2372.47,4298.69 2435,4361.22 v1(2435,4580)
  Bottom Layer w12: S25.G@2017.24,810.09 2020,812.85 v1(2020,855) ; v1(2385,1600) 2385,1559.83 S22.G@2389.74,1555.09 ; v1(2385,2350) 2385,2304.83 S17.G@2389.74,2300.09 ; v1(2385,3835) 2385,3794.83 S8.G@2389.74,3790.09 ; S13.G@2389.74,3045.09 2390,3045.35 v1(2390,3090) ; S3.G@2389.74,4535.09 2390,4535.35 T8.3@2390,4592.76 2422.24,4592.76 v1(2435,4580)
"LED Green Ca3": S4.G S9.G S14.G S18.G S23.G S26.G T5.3 | length 4369.6
  Top Layer w15: v1(3030,4599.94) 3111.27,4599.94 3120.06,4591.15 3120.06,4292.16 3099.91,4272.01 3099.91,3870.09 v1(3130,3840) 3130,3557.1 3099.91,3527.01 3099.91,3120.09 v1(3130,3090) 3130,2812.1 3099.91,2782.01 3099.91,2380.09 v1(3135,2345) 3135,2072.1 3099.91,2037.01 3099.91,1640.09 v1(3135,1605) 3135,1327.1 3099.91,1292.01 3099.91,885.09 v1(3130,855)
  Bottom Layer w15: v1(3030,4599.94) 3031.91,4598.03 3130.69,4598.03 3130.69,4600 3135,4595.69 T5.3@3135,4592.76 3135,4535.35 S4.G@3134.74,4535.09 ; v1(3130,855) 3130,814.83 S26.G@3134.74,810.09 ; v1(3130,3090) 3130,3087.29 3134.74,3082.56 S14.G@3134.74,3045.09 ; v1(3130,3840) 3130,3837.29 3134.74,3832.56 S9.G@3134.74,3790.09 ; S23.G@3134.74,1555.09 3135,1555.35 v1(3135,1605) ; S18.G@3134.74,2300.09 3135,2300.35 v1(3135,2345)
"LED Green Ca4": S5.G S10.G S19.G S27.G T2.3 | length 3736.4
  Top Layer w12: v1(3820,4605) 3823.52,4605 3839.04,4589.48 3845.03,4589.48 3855,4579.5 3855,4418.46 3862.47,4410.99 3862.47,4291.69 3846.41,4275.63 3846.41,3863.59 v1(3875,3835) 3875,3559.22 3846.41,3530.63 3846.41,2758.59 v1(3875,2730) 3875,2441.72 3846.41,2413.13 3846.41,1258.59 v1(3870,1235)
  Bottom Layer w12: v1(3820,4605) 3822.49,4602.51 3831.99,4602.51 3846.75,4587.76 T2.3@3875,4587.76 3875,4539.83 S5.G@3879.74,4535.09 ; v1(3870,1235) 3870,1231.48 3879.74,1221.75 S27.G@3879.74,1182.59 ; v1(3875,2730) 3875,2726.48 3879.74,2721.75 S19.G@3879.74,2672.59 ; v1(3875,3835) 3875,3831.48 3879.74,3826.75 S10.G@3879.74,3790.09
"LED Red Ca0": S1.R S6.R S11.R S15.R S20.R S24.R T15.3 | length 4666.5
  Top Layer w15: v1(960,755) 960,850 864.91,945.09 864.91,1281.09 883.97,1300.15 883.97,1322.31 960,1398.34 v1(960,1500) 960,1595 864.91,1690.09 864.91,2037.01 883.97,2056.07 883.97,2163.97 v1(965,2245) 965,2320 864.91,2420.09 864.91,2771.09 883.97,2790.15 883.97,2812.31 965,2893.34 v1(965,2990) 965,3085 864.91,3185.09 864.91,3527.01 883.97,3546.07 883.97,3557.31 975,3648.34 v1(975,3735) 975,3830 864.91,3940.09 864.91,4261.09 883.97,4280.15 883.97,4302.31 969.67,4388.01 1003.01,4388.01 v1(1040,4425)
  Bottom Layer w15: S24.R@899.74,753 900.73,754 959,754 v1(960,755) ; S20.R@899.74,1498 900.73,1499 959,1499 v1(960,1500) ; S15.R@899.74,2243 900.73,2244 964,2244 v1(965,2245) ; S11.R@899.74,2988 900.73,2989 964,2989 v1(965,2990) ; S6.R@899.74,3733 900.73,3734 974,3734 v1(975,3735)
  Bottom Layer w20: S1.R@899.74,4478 1038.19,4478 T15.3@1040,4479.81 ; v1(1040,4425) T15.3@1040,4479.81 ; T15.3@1040,4482.76 T15.3@1040,4479.81
"LED Red Ca1": S2.R S7.R S12.R S16.R S21.R T12.3 | length 3806.4
  Top Layer w15: v1(1748,4478) 1800,4426.01 v1(1800,3735) v1(1800,2990) v1(1800,2235) 1800,1540 v1(1760,1500)
  Bottom Layer w15: S21.R@1644.74,1498 1645.73,1499 1759,1499 v1(1760,1500) ; S16.R@1644.74,2243 1789.29,2243 1797.29,2235 v1(1800,2235) ; S12.R@1644.74,2988 1645.73,2989 1799,2989 v1(1800,2990) ; S7.R@1644.74,3733 1645.73,3734 1799,3734 v1(1800,3735) ; S2.R@1644.74,4478 v1(1748,4478) 1748,4551.88 1735,4564.88 T12.3@1735,4572.76
"LED Red Ca2": S3.R S8.R S13.R S17.R S22.R S25.R T9.3 | length 5386.3
  Top Layer w12: v1(2090,755) 2090,860 2304.08,1074.08 2424.08,1074.08 2538.16,1188.16 v1(2538.16,1496.84) v1(2538.16,2241.84) v1(2538.16,2986.84) 2538.16,4396.84 v1(2480,4455)
  Bottom Layer w12: S25.R@2017.24,753 2018.23,754 2089,754 v1(2090,755) ; T9.3@2025,4487.76 2025,4495.63 2030.81,4501.44 2061.7,4501.44 2180.26,4620 2290.13,4620 2298.57,4628.44 2431.56,4628.44 2465,4595 2465,4485.03 2457.97,4478 ; S22.R@2389.74,1498 2390.32,1497.42 2537.58,1497.42 v1(2538.16,1496.84) ; S17.R@2389.74,2243 2390.32,2242.42 2537.58,2242.42 v1(2538.16,2241.84) ; S13.R@2389.74,2988 2390.32,2987.42 2537.58,2987.42 v1(2538.16,2986.84) ; S8.R@2389.74,3733 2390.32,3732.42 2537.58,3732.42 v1(2538.16,3731.84) ; S3.R@2389.74,4478 2457.97,4478 ; v1(2480,4455) 2480,4455.97 2457.97,4478